# KiCad board demomatrix.kicad_pcb (continued)
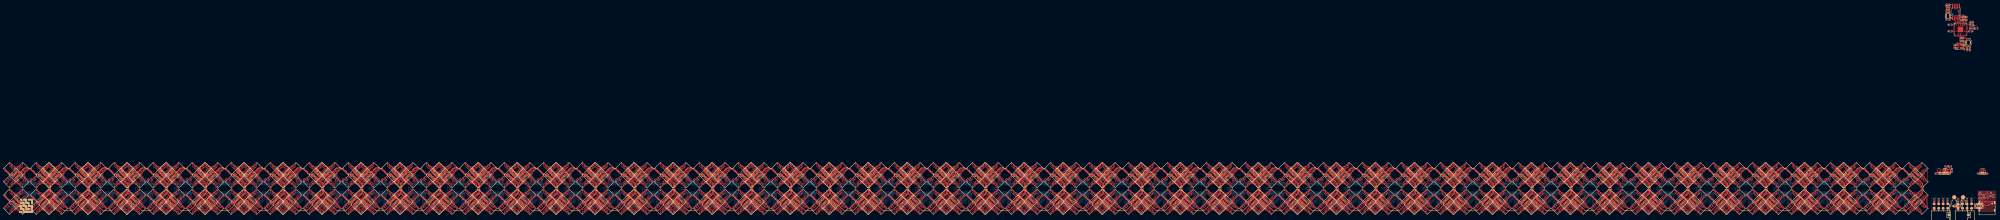
[diagram p0: board, top side]
## Routing (per net, layer and track width the routed paths; a pad name or vN(x,y) marks a point on that pad's centre or on a via; arc(x,y) is an arc through that point) (continued)
rgbs[2]-anodes-anode-704: length 9.5
  Top w0.2: LED83.4 -106.26,17.77 -106.88,17.77 -108.55,19.44 -108.55,19.69 -107.87,20.36 -107.87,20.82 -108.55,21.5 -108.55,21.75 -107.07,23.22 -106.43,23.22 -106.42,23.22 -106.07,23.22 LED82.3
rgbs[2]-anodes-anode-705: length 12.3
  Top w0.2: -105.51,17.12 -106.79,17.12 -108.95,19.28 -108.95,19.86 -108.27,20.53 -108.27,20.66 -108.95,21.33 -108.95,21.91 -106.78,24.08 -105.23,24.08 LED82.1
rgbs[2]-anodes-anode-706: length 3.7
  Top w0.2: LED83.6 -106.72,19.02 -106.72,20.02 -107.07,20.37 -107.07,20.81 -106.72,21.16 -106.72,22.18 LED82.5
rgbs[2]-anodes-anode-707: length 1.8
  Top w0.2: LED82.7 -107.47,21.23 -107.47,19.96 LED83.8
rgbs[2]-anodes-anode-708: length 9.5
  Top w0.2: LED86.3 -91.07,23.22 -91.42,23.22 -91.43,23.22 -92.07,23.22 -93.55,21.75 -93.55,21.5 -92.87,20.82 -92.87,20.36 -93.55,19.69 -93.55,19.44 -91.88,17.77 -91.26,17.77 LED87.4
rgbs[2]-anodes-anode-709: length 19.4
  Top w0.2: -90.51,17.12 -91.79,17.12 -93.95,19.28 -93.95,19.86 -93.27,20.53 -93.27,20.66 -93.95,21.33 -93.95,21.91 -91.78,24.08 -90.23,24.08 LED86.1 -89.73,23.58 -89.73,17.61 LED87.2
rgbs[2]-anodes-anode-710: length 3.7
  Top w0.2: LED87.6 -91.72,19.02 -91.72,20.02 -92.07,20.37 -92.07,20.81 -91.72,21.16 -91.72,22.18 LED86.5
rgbs[2]-anodes-anode-711: length 1.8
  Top w0.2: LED87.8 -92.47,19.96 -92.47,21.23 LED86.7
rgbs[2]-anodes-anode-712: length 9.5
  Top w0.2: LED90.3 -106.07,8.22 -106.42,8.22 -106.43,8.22 -107.07,8.22 -108.55,6.75 -108.55,6.5 -107.87,5.82 -107.87,5.36 -108.55,4.69 -108.55,4.44 -106.88,2.77 -106.26,2.77 LED91.4
rgbs[2]-anodes-anode-713: length 12.3
  Top w0.2: -105.51,2.12 -106.79,2.12 -108.95,4.28 -108.95,4.86 -108.27,5.53 -108.27,5.66 -108.95,6.33 -108.95,6.91 -106.78,9.08 -105.23,9.08 LED90.1
rgbs[2]-anodes-anode-714: length 3.7
  Top w0.2: LED91.6 -106.72,4.02 -106.72,5.02 -107.07,5.37 -107.07,5.81 -106.72,6.16 -106.72,7.18 LED90.5
rgbs[2]-anodes-anode-715: length 1.8
  Top w0.2: LED90.7 -107.47,6.23 -107.47,4.96 LED91.8
rgbs[2]-anodes-anode-716: length 14.9
  Top w0.2: -93.55,4.44 -93.55,4.69 -92.87,5.36 -92.87,5.82 -93.55,6.5 -93.55,6.75 -92.07,8.22 -91.43,8.22 -91.42,8.22 -91.07,8.22 LED94.3 -90.58,7.73 -90.58,3.46 LED95.4 -91.26,2.77 -91.88,2.77 -93.55,4.44
rgbs[2]-anodes-anode-717: length 19.4
  Top w0.2: LED95.2 -89.73,2.61 -89.73,8.58 LED94.1 -90.23,9.08 -91.78,9.08 -93.95,6.91 -93.95,6.33 -93.27,5.66 -93.27,5.53 -93.95,4.86 -93.95,4.28 -91.79,2.12 -90.51,2.12
rgbs[2]-anodes-anode-718: length 3.7
  Top w0.2: LED95.6 -91.72,4.02 -91.72,5.02 -92.07,5.37 -92.07,5.81 -91.72,6.16 -91.72,7.18 LED94.5
rgbs[2]-anodes-anode-719: length 1.8
  Top w0.2: LED95.8 -92.47,4.96 -92.47,6.23 LED94.7
rgbs[2]-anodes-anode-720: length 9.5
  Top w0.2: LED99.4 -84.26,17.77 -84.88,17.77 -86.55,19.44 -86.55,19.69 -85.87,20.36 -85.87,20.82 -86.55,21.5 -86.55,21.75 -85.07,23.22 -84.43,23.22 -84.42,23.22 -84.07,23.22 LED98.3
rgbs[2]-anodes-anode-721: length 12.3
  Top w0.2: LED98.1 -83.23,24.08 -84.78,24.08 -86.95,21.91 -86.95,21.33 -86.27,20.66 -86.27,20.53 -86.95,19.86 -86.95,19.28 -84.79,17.12 -83.51,17.12
rgbs[2]-anodes-anode-722: length 3.7
  Top w0.2: LED98.5 -84.72,22.18 -84.72,21.16 -85.07,20.81 -85.07,20.37 -84.72,20.02 -84.72,19.02 LED99.6
rgbs[2]-anodes-anode-723: length 1.8
  Top w0.2: LED99.8 -85.47,19.96 -85.47,21.23 LED98.7
rgbs[2]-anodes-anode-724: length 9.5
  Top w0.2: LED102.3 -69.07,23.22 -69.42,23.22 -69.43,23.22 -70.07,23.22 -71.55,21.75 -71.55,21.5 -70.87,20.82 -70.87,20.36 -71.55,19.69 -71.55,19.44 -69.88,17.77 -69.26,17.77 LED103.4
rgbs[2]-anodes-anode-725: length 19.4
  Top w0.2: LED103.2 -67.73,17.61 -67.73,23.58 LED102.1 -68.23,24.08 -69.78,24.08 -71.95,21.91 -71.95,21.33 -71.27,20.66 -71.27,20.53 -71.95,19.86 -71.95,19.28 -69.79,17.12 -68.51,17.12
rgbs[2]-anodes-anode-726: length 3.7
  Top w0.2: LED103.6 -69.72,19.02 -69.72,20.02 -70.07,20.37 -70.07,20.81 -69.72,21.16 -69.72,22.18 LED102.5
rgbs[2]-anodes-anode-727: length 1.8
  Top w0.2: LED103.8 -70.47,19.96 -70.47,21.23 LED102.7
rgbs[2]-anodes-anode-728: length 9.5
  Top w0.2: LED106.3 -84.07,8.22 -84.42,8.22 -84.43,8.22 -85.07,8.22 -86.55,6.75 -86.55,6.5 -85.87,5.82 -85.87,5.36 -86.55,4.69 -86.55,4.44 -84.88,2.77 -84.26,2.77 LED107.4
rgbs[2]-anodes-anode-729: length 12.3
  Top w0.2: LED106.1 -83.23,9.08 -84.78,9.08 -86.95,6.91 -86.95,6.33 -86.27,5.66 -86.27,5.53 -86.95,4.86 -86.95,4.28 -84.79,2.12 -83.51,2.12
rgbs[2]-anodes-anode-730: length 3.7
  Top w0.2: LED106.5 -84.72,7.18 -84.72,6.16 -85.07,5.81 -85.07,5.37 -84.72,5.02 -84.72,4.02 LED107.6
rgbs[2]-anodes-anode-731: length 1.8
  Top w0.2: LED106.7 -85.47,6.23 -85.47,4.96 LED107.8
rgbs[2]-anodes-anode-732: length 14.9
  Top w0.2: -70.07,8.22 -69.43,8.22 -69.42,8.22 -69.07,8.22 LED110.3 -68.58,7.73 -68.58,3.46 LED111.4 -69.26,2.77 -69.88,2.77 -71.55,4.44 -71.55,4.69 -70.87,5.36 -70.87,5.82 -71.55,6.5 -71.55,6.75 -70.07,8.22
rgbs[2]-anodes-anode-733: length 19.4
  Top w0.2: -68.51,2.12 -69.79,2.12 -71.95,4.28 -71.95,4.86 -71.27,5.53 -71.27,5.66 -71.95,6.33 -71.95,6.91 -69.78,9.08 -68.23,9.08 LED110.1 -67.73,8.58 -67.73,2.61 LED111.2
rgbs[2]-anodes-anode-734: length 3.7
  Top w0.2: LED111.6 -69.72,4.02 -69.72,5.02 -70.07,5.37 -70.07,5.81 -69.72,6.16 -69.72,7.18 LED110.5
rgbs[2]-anodes-anode-735: length 1.8
  Top w0.2: LED111.8 -70.47,4.96 -70.47,6.23 LED110.7
rgbs[2]-anodes-anode-736: length 9.5
  Top w0.2: LED114.3 -62.07,23.22 -62.42,23.22 -62.43,23.22 -63.07,23.22 -64.55,21.75 -64.55,21.5 -63.87,20.82 -63.87,20.36 -64.55,19.69 -64.55,19.44 -62.88,17.77 -62.26,17.77 LED115.4
rgbs[2]-anodes-anode-737: length 12.3
  Top w0.2: LED114.1 -61.23,24.08 -62.78,24.08 -64.95,21.91 -64.95,21.33 -64.27,20.66 -64.27,20.53 -64.95,19.86 -64.95,19.28 -62.79,17.12 -61.51,17.12
rgbs[2]-anodes-anode-738: length 3.7
  Top w0.2: LED114.5 -62.72,22.18 -62.72,21.16 -63.07,20.81 -63.07,20.37 -62.72,20.02 -62.72,19.02 LED115.6
rgbs[2]-anodes-anode-739: length 1.8
  Top w0.2: LED114.7 -63.47,21.23 -63.47,19.96 LED115.8
rgbs[2]-anodes-anode-740: length 9.5
  Top w0.2: LED119.4 -47.26,17.77 -47.88,17.77 -49.55,19.44 -49.55,19.69 -48.87,20.36 -48.87,20.82 -49.55,21.5 -49.55,21.75 -48.07,23.22 -47.43,23.22 -47.42,23.22 -47.07,23.22 LED118.3
rgbs[2]-anodes-anode-741: length 19.4
  Top w0.2: -46.51,17.12 -47.79,17.12 -49.95,19.28 -49.95,19.86 -49.27,20.53 -49.27,20.66 -49.95,21.33 -49.95,21.91 -47.78,24.08 -46.23,24.08 LED118.1 -45.73,23.58 -45.73,17.61 LED119.2
rgbs[2]-anodes-anode-742: length 3.7
  Top w0.2: LED118.5 -47.72,22.18 -47.72,21.16 -48.07,20.81 -48.07,20.37 -47.72,20.02 -47.72,19.02 LED119.6
rgbs[2]-anodes-anode-743: length 1.8
  Top w0.2: LED119.8 -48.47,19.96 -48.47,21.23 LED118.7
rgbs[2]-anodes-anode-744: length 9.5
  Top w0.2: LED123.4 -62.26,2.77 -62.88,2.77 -64.55,4.44 -64.55,4.69 -63.87,5.36 -63.87,5.82 -64.55,6.5 -64.55,6.75 -63.07,8.22 -62.43,8.22 -62.42,8.22 -62.07,8.22 LED122.3
rgbs[2]-anodes-anode-745: length 12.3
  Top w0.2: -61.51,2.12 -62.79,2.12 -64.95,4.28 -64.95,4.86 -64.27,5.53 -64.27,5.66 -64.95,6.33 -64.95,6.91 -62.78,9.08 -61.23,9.08 LED122.1
rgbs[2]-anodes-anode-746: length 3.7
  Top w0.2: LED123.6 -62.72,4.02 -62.72,5.02 -63.07,5.37 -63.07,5.81 -62.72,6.16 -62.72,7.18 LED122.5
rgbs[2]-anodes-anode-747: length 1.8
  Top w0.2: LED123.8 -63.47,4.96 -63.47,6.23 LED122.7
rgbs[2]-anodes-anode-748: length 14.9
  Top w0.2: -47.07,8.22 LED126.3 -46.58,7.73 -46.58,3.46 LED127.4 -47.26,2.77 -47.88,2.77 -49.55,4.44 -49.55,4.69 -48.87,5.36 -48.87,5.82 -49.55,6.5 -49.55,6.75 -48.07,8.22 -47.43,8.22 -47.42,8.22 -47.07,8.22
rgbs[2]-anodes-anode-749: length 19.4
  Top w0.2: LED127.2 -45.73,2.61 -45.73,8.58 LED126.1 -46.23,9.08 -47.78,9.08 -49.95,6.91 -49.95,6.33 -49.27,5.66 -49.27,5.53 -49.95,4.86 -49.95,4.28 -47.79,2.12 -46.51,2.12
rgbs[2]-anodes-anode-750: length 3.7
  Top w0.2: LED127.6 -47.72,4.02 -47.72,5.02 -48.07,5.37 -48.07,5.81 -47.72,6.16 -47.72,7.18 LED126.5
rgbs[2]-anodes-anode-751: length 1.8
  Top w0.2: LED127.8 -48.47,4.96 -48.47,6.23 LED126.7
rgbs[2]-anodes-anode-752: length 9.5
  Top w0.2: LED130.3 -40.07,23.22 -40.42,23.22 -40.43,23.22 -41.07,23.22 -42.55,21.75 -42.55,21.5 -41.87,20.82 -41.87,20.36 -42.55,19.69 -42.55,19.44 -40.88,17.77 -40.26,17.77 LED131.4
rgbs[2]-anodes-anode-753: length 12.3
  Top w0.2: LED130.1 -39.23,24.08 -40.78,24.08 -42.95,21.91 -42.95,21.33 -42.27,20.66 -42.27,20.53 -42.95,19.86 -42.95,19.28 -40.79,17.12 -39.51,17.12
rgbs[2]-anodes-anode-754: length 3.7
  Top w0.2: LED131.6 -40.72,19.02 -40.72,20.02 -41.07,20.37 -41.07,20.81 -40.72,21.16 -40.72,22.18 LED130.5
rgbs[2]-anodes-anode-755: length 1.8
  Top w0.2: LED131.8 -41.47,19.96 -41.47,21.23 LED130.7
rgbs[2]-anodes-anode-756: length 9.5
  Top w0.2: LED135.4 -25.26,17.77 -25.88,17.77 -27.55,19.44 -27.55,19.69 -26.87,20.36 -26.87,20.82 -27.55,21.5 -27.55,21.75 -26.07,23.22 -25.43,23.22 -25.42,23.22 -25.07,23.22 LED134.3
rgbs[2]-anodes-anode-757: length 19.4
  Top w0.2: -24.51,17.12 -25.79,17.12 -27.95,19.28 -27.95,19.86 -27.27,20.53 -27.27,20.66 -27.95,21.33 -27.95,21.91 -25.78,24.08 -24.23,24.08 LED134.1 -23.73,23.58 -23.73,17.61 LED135.2
rgbs[2]-anodes-anode-758: length 3.7
  Top w0.2: LED135.6 -25.72,19.02 -25.72,20.02 -26.07,20.37 -26.07,20.81 -25.72,21.16 -25.72,22.18 LED134.5
rgbs[2]-anodes-anode-759: length 1.8
  Top w0.2: LED135.8 -26.47,19.96 -26.47,21.23 LED134.7
rgbs[2]-anodes-anode-760: length 9.5
  Top w0.2: LED138.3 -40.07,8.22 -40.42,8.22 -40.43,8.22 -41.07,8.22 -42.55,6.75 -42.55,6.5 -41.87,5.82 -41.87,5.36 -42.55,4.69 -42.55,4.44 -40.88,2.77 -40.26,2.77 LED139.4
rgbs[2]-anodes-anode-761: length 12.3
  Top w0.2: LED138.1 -39.23,9.08 -40.78,9.08 -42.95,6.91 -42.95,6.33 -42.27,5.66 -42.27,5.53 -42.95,4.86 -42.95,4.28 -40.79,2.12 -39.51,2.12
rgbs[2]-anodes-anode-762: length 3.7
  Top w0.2: LED138.5 -40.72,7.18 -40.72,6.16 -41.07,5.81 -41.07,5.37 -40.72,5.02 -40.72,4.02 LED139.6
rgbs[2]-anodes-anode-763: length 1.8
  Top w0.2: LED139.8 -41.47,4.96 -41.47,6.23 LED138.7
rgbs[2]-anodes-anode-764: length 14.9
  Top w0.2: -27.55,4.44 -27.55,4.69 -26.87,5.36 -26.87,5.82 -27.55,6.5 -27.55,6.75 -26.07,8.22 -25.43,8.22 -25.42,8.22 -25.07,8.22 LED142.3 -24.58,7.73 -24.58,3.46 LED143.4 -25.26,2.77 -25.88,2.77 -27.55,4.44
rgbs[2]-anodes-anode-765: length 19.4
  Top w0.2: -24.51,2.12 -25.79,2.12 -27.95,4.28 -27.95,4.86 -27.27,5.53 -27.27,5.66 -27.95,6.33 -27.95,6.91 -25.78,9.08 -24.23,9.08 LED142.1 -23.73,8.58 -23.73,2.61 LED143.2
rgbs[2]-anodes-anode-766: length 3.7
  Top w0.2: LED142.5 -25.72,7.18 -25.72,6.16 -26.07,5.81 -26.07,5.37 -25.72,5.02 -25.72,4.02 LED143.6
rgbs[2]-anodes-anode-767: length 1.8
  Top w0.2: LED143.8 -26.47,4.96 -26.47,6.23 LED142.7
rgbs[2]-anodes-anode-768: length 9.5
  Top w0.2: LED146.3 -18.07,23.22 -18.42,23.22 -18.43,23.22 -19.07,23.22 -20.55,21.75 -20.55,21.5 -19.87,20.82 -19.87,20.36 -20.55,19.69 -20.55,19.44 -18.88,17.77 -18.26,17.77 LED147.4
rgbs[2]-anodes-anode-769: length 12.3
  Top w0.2: LED146.1 -17.23,24.08 -18.78,24.08 -20.95,21.91 -20.95,21.33 -20.27,20.66 -20.27,20.53 -20.95,19.86 -20.95,19.28 -18.79,17.12 -17.51,17.12
rgbs[2]-anodes-anode-770: length 3.7
  Top w0.2: LED146.5 -18.72,22.18 -18.72,21.16 -19.07,20.81 -19.07,20.37 -18.72,20.02 -18.72,19.02 LED147.6
rgbs[2]-anodes-anode-771: length 1.8
  Top w0.2: LED147.8 -19.47,19.96 -19.47,21.23 LED146.7
rgbs[2]-anodes-anode-772: length 9.5
  Top w0.2: LED151.4 -3.26,17.77 -3.88,17.77 -5.55,19.44 -5.55,19.69 -4.87,20.36 -4.87,20.82 -5.55,21.5 -5.55,21.75 -4.07,23.22 -3.43,23.22 -3.42,23.22 -3.07,23.22 LED150.3
rgbs[2]-anodes-anode-773: length 19.4
  Top w0.2: -2.51,17.12 -3.79,17.12 -5.95,19.28 -5.95,19.86 -5.27,20.53 -5.27,20.66 -5.95,21.33 -5.95,21.91 -3.78,24.08 -2.23,24.08 LED150.1 -1.73,23.58 -1.73,17.61 LED151.2
rgbs[2]-anodes-anode-774: length 3.7
  Top w0.2: LED150.5 -3.72,22.18 -3.72,21.16 -4.07,20.81 -4.07,20.37 -3.72,20.02 -3.72,19.02 LED151.6
rgbs[2]-anodes-anode-775: length 1.8
  Top w0.2: LED150.7 -4.47,21.23 -4.47,19.96 LED151.8
rgbs[2]-anodes-anode-776: length 9.5
  Top w0.2: LED155.4 -18.26,2.77 -18.88,2.77 -20.55,4.44 -20.55,4.69 -19.87,5.36 -19.87,5.82 -20.55,6.5 -20.55,6.75 -19.07,8.22 -18.43,8.22 -18.42,8.22 -18.07,8.22 LED154.3
rgbs[2]-anodes-anode-777: length 12.3
  Top w0.2: LED154.1 -17.23,9.08 -18.78,9.08 -20.95,6.91 -20.95,6.33 -20.27,5.66 -20.27,5.53 -20.95,4.86 -20.95,4.28 -18.79,2.12 -17.51,2.12
rgbs[2]-anodes-anode-778: length 3.7
  Top w0.2: LED155.6 -18.72,4.02 -18.72,5.02 -19.07,5.37 -19.07,5.81 -18.72,6.16 -18.72,7.18 LED154.5
rgbs[2]-anodes-anode-779: length 1.8
  Top w0.2: LED155.8 -19.47,4.96 -19.47,6.23 LED154.7
rgbs[2]-anodes-anode-780: length 14.9
  Top w0.2: -4.07,8.22 -3.43,8.22 -3.42,8.22 -3.07,8.22 LED158.3 -2.58,7.73 -2.58,3.46 LED159.4 -3.26,2.77 -3.88,2.77 -5.55,4.44 -5.55,4.69 -4.87,5.36 -4.87,5.82 -5.55,6.5 -5.55,6.75 -4.07,8.22
rgbs[2]-anodes-anode-781: length 19.4
  Top w0.2: -2.51,2.12 -3.79,2.12 -5.95,4.28 -5.95,4.86 -5.27,5.53 -5.27,5.66 -5.95,6.33 -5.95,6.91 -3.78,9.08 -2.23,9.08 LED158.1 -1.73,8.58 -1.73,2.61 LED159.2
rgbs[2]-anodes-anode-782: length 3.7
  Top w0.2: LED158.5 -3.72,7.18 -3.72,6.16 -4.07,5.81 -4.07,5.37 -3.72,5.02 -3.72,4.02 LED159.6
rgbs[2]-anodes-anode-783: length 1.8
  Top w0.2: LED158.7 -4.47,6.23 -4.47,4.96 LED159.8
rgbs[3]-anodes-anode-0: length 9.5
  Top w0.2: LED4.4 -1082.43,15.08 -1082.43,15.87 -1081.7,16.59 -1081.69,16.59 -1081.4,16.88 -1081.4,16.89 -1080.84,17.45 -1080.59,17.45 -1079.91,16.77 -1079.47,16.77 -1078.79,17.45 -1078.54,17.45 -1076.98,15.89 -1076.98,15.08 -1077.13,14.93 -1077.13,14.9 LED3.3
rgbs[3]-anodes-anode-1: length 12.8
  Top w0.2: LED4.2 -1083.16,14.12 -1083.16,15.7 -1081.86,16.99 -1081.86,16.99 -1081.8,17.05 -1081.8,17.06 -1081.01,17.85 -1080.43,17.85 -1079.74,17.17 -1079.64,17.17 -1078.95,17.85 -1078.37,17.85 -1076.22,15.7 -1076.22,14.31 -1076.15,14.23 -1076.28,14.1 -1076.28,14.06 LED3.1
rgbs[3]-anodes-anode-2: length 3.9
  Top w0.2: LED3.5 -1078.12,15.61 -1079.11,15.61 -1079.46,15.97 -1079.92,15.97 -1080.26,15.62 -1081.46,15.62 LED4.6
rgbs[3]-anodes-anode-3: length 1.8
  Top w0.2: LED4.8 -1080.32,16.37 -1079.11,16.37 -1078.94,16.53 -1078.9,16.53 LED3.7
rgbs[3]-anodes-anode-4: length 9.5
  Top w0.2: LED7.3 -1062.13,14.9 -1062.13,14.93 -1061.98,15.08 -1061.98,15.89 -1063.54,17.45 -1063.79,17.45 -1064.47,16.77 -1064.91,16.77 -1065.59,17.45 -1065.84,17.45 -1066.4,16.89 -1066.4,16.88 -1066.69,16.59 -1066.7,16.59 -1067.43,15.87 -1067.43,15.08 LED8.4
rgbs[3]-anodes-anode-5: length 12.8
  Top w0.2: LED7.1 -1061.28,14.06 -1061.28,14.1 -1061.15,14.23 -1061.22,14.31 -1061.22,15.7 -1063.37,17.85 -1063.95,17.85 -1064.64,17.17 -1064.74,17.17 -1065.43,17.85 -1066.01,17.85 -1066.8,17.06 -1066.8,17.05 -1066.86,16.99 -1066.86,16.99 -1068.16,15.7 -1068.16,14.12 LED8.2
rgbs[3]-anodes-anode-6: length 3.9
  Top w0.2: LED7.5 -1063.12,15.61 -1064.11,15.61 -1064.46,15.97 -1064.92,15.97 -1065.26,15.62 -1066.46,15.62 LED8.6
rgbs[3]-anodes-anode-7: length 1.8
  Top w0.2: LED8.8 -1065.32,16.37 -1064.11,16.37 -1063.94,16.53 -1063.9,16.53 LED7.7
rgbs[3]-anodes-anode-8: length 9.5
  Top w0.2: LED12.4 -1082.43,0.08 -1082.43,0.87 -1081.7,1.59 -1081.69,1.59 -1081.4,1.88 -1081.4,1.89 -1080.84,2.45 -1080.59,2.45 -1079.91,1.77 -1079.47,1.77 -1078.79,2.45 -1078.54,2.45 -1076.98,0.89 -1076.98,0.08 -1077.13,-0.07 -1077.13,-0.1 LED11.3
rgbs[3]-anodes-anode-9: length 12.8
  Top w0.2: LED11.1 -1076.28,-0.94 -1076.28,-0.9 -1076.15,-0.77 -1076.22,-0.69 -1076.22,0.7 -1078.37,2.85 -1078.95,2.85 -1079.64,2.17 -1079.74,2.17 -1080.43,2.85 -1081.01,2.85 -1081.8,2.06 -1081.8,2.05 -1081.86,1.99 -1081.86,1.99 -1083.16,0.7 -1083.16,-0.88 LED12.2
rgbs[3]-anodes-anode-10: length 3.9
  Top w0.2: LED11.5 -1078.12,0.61 -1079.11,0.61 -1079.46,0.97 -1079.92,0.97 -1080.26,0.62 -1081.46,0.62 LED12.6
rgbs[3]-anodes-anode-11: length 1.8
  Top w0.2: LED12.8 -1080.32,1.37 -1079.11,1.37 -1078.94,1.53 -1078.9,1.53 LED11.7
rgbs[3]-anodes-anode-12: length 9.5
  Top w0.2: LED15.3 -1062.13,-0.1 -1062.13,-0.07 -1061.98,0.08 -1061.98,0.89 -1063.54,2.45 -1063.79,2.45 -1064.47,1.77 -1064.91,1.77 -1065.59,2.45 -1065.84,2.45 -1066.4,1.89 -1066.4,1.88 -1066.69,1.59 -1066.7,1.59 -1067.43,0.87 -1067.43,0.08 LED16.4
rgbs[3]-anodes-anode-13: length 12.8
  Top w0.2: LED15.1 -1061.28,-0.94 -1061.28,-0.9 -1061.15,-0.77 -1061.22,-0.69 -1061.22,0.7 -1063.37,2.85 -1063.95,2.85 -1064.64,2.17 -1064.74,2.17 -1065.43,2.85 -1066.01,2.85 -1066.8,2.06 -1066.8,2.05 -1066.86,1.99 -1066.86,1.99 -1068.16,0.7 -1068.16,-0.88 LED16.2
rgbs[3]-anodes-anode-14: length 3.9
  Top w0.2: LED15.5 -1063.12,0.61 -1064.11,0.61 -1064.46,0.97 -1064.92,0.97 -1065.26,0.62 -1066.46,0.62 LED16.6
rgbs[3]-anodes-anode-15: length 1.8
  Top w0.2: LED16.8 -1065.32,1.37 -1064.11,1.37 -1063.94,1.53 -1063.9,1.53 LED15.7
rgbs[3]-anodes-anode-16: length 9.5
  Top w0.2: LED164.4 -1060.43,15.08 -1060.43,15.87 -1059.7,16.59 -1059.69,16.59 -1059.4,16.88 -1059.4,16.89 -1058.84,17.45 -1058.59,17.45 -1057.91,16.77 -1057.47,16.77 -1056.79,17.45 -1056.54,17.45 -1054.98,15.89 -1054.98,15.08 -1055.13,14.93 -1055.13,14.9 LED163.3
rgbs[3]-anodes-anode-17: length 12.8
  Top w0.2: LED163.1 -1054.28,14.06 -1054.28,14.1 -1054.15,14.23 -1054.22,14.31 -1054.22,15.7 -1056.37,17.85 -1056.95,17.85 -1057.64,17.17 -1057.74,17.17 -1058.43,17.85 -1059.01,17.85 -1059.8,17.06 -1059.8,17.05 -1059.86,16.99 -1059.86,16.99 -1061.16,15.7 -1061.16,14.12 LED164.2
rgbs[3]-anodes-anode-18: length 3.9
  Top w0.2: LED163.5 -1056.12,15.61 -1057.11,15.61 -1057.46,15.97 -1057.92,15.97 -1058.26,15.62 -1059.46,15.62 LED164.6
rgbs[3]-anodes-anode-19: length 1.8
  Top w0.2: LED164.8 -1058.32,16.37 -1057.11,16.37 -1056.94,16.53 -1056.9,16.53 LED163.7
rgbs[3]-anodes-anode-20: length 9.5
  Top w0.2: LED168.4 -1045.43,15.08 -1045.43,15.87 -1044.7,16.59 -1044.69,16.59 -1044.4,16.88 -1044.4,16.89 -1043.84,17.45 -1043.59,17.45 -1042.91,16.77 -1042.47,16.77 -1041.79,17.45 -1041.54,17.45 -1039.98,15.89 -1039.98,15.08 -1040.13,14.93 -1040.13,14.9 LED167.3
rgbs[3]-anodes-anode-21: length 12.8
  Top w0.2: LED167.1 -1039.28,14.06 -1039.28,14.1 -1039.15,14.23 -1039.22,14.31 -1039.22,15.7 -1041.37,17.85 -1041.95,17.85 -1042.64,17.17 -1042.74,17.17 -1043.43,17.85 -1044.01,17.85 -1044.8,17.06 -1044.8,17.05 -1044.86,16.99 -1044.86,16.99 -1046.16,15.7 -1046.16,14.12 LED168.2
rgbs[3]-anodes-anode-22: length 3.9
  Top w0.2: LED168.6 -1044.46,15.62 -1043.26,15.62 -1042.92,15.97 -1042.46,15.97 -1042.11,15.61 -1041.12,15.61 LED167.5
rgbs[3]-anodes-anode-23: length 1.8
  Top w0.2: LED167.7 -1041.9,16.53 -1041.94,16.53 -1042.11,16.37 -1043.32,16.37 LED168.8
rgbs[3]-anodes-anode-24: length 9.5
  Top w0.2: LED171.3 -1055.13,-0.1 -1055.13,-0.07 -1054.98,0.08 -1054.98,0.89 -1056.54,2.45 -1056.79,2.45 -1057.47,1.77 -1057.91,1.77 -1058.59,2.45 -1058.84,2.45 -1059.4,1.89 -1059.4,1.88 -1059.69,1.59 -1059.7,1.59 -1060.43,0.87 -1060.43,0.08 LED172.4
rgbs[3]-anodes-anode-25: length 12.8
  Top w0.2: LED172.2 -1061.16,-0.88 -1061.16,0.7 -1059.86,1.99 -1059.86,1.99 -1059.8,2.05 -1059.8,2.06 -1059.01,2.85 -1058.43,2.85 -1057.74,2.17 -1057.64,2.17 -1056.95,2.85 -1056.37,2.85 -1054.22,0.7 -1054.22,-0.69 -1054.15,-0.77 -1054.28,-0.9 -1054.28,-0.94 LED171.1
rgbs[3]-anodes-anode-26: length 3.9
  Top w0.2: LED171.5 -1056.12,0.61 -1057.11,0.61 -1057.46,0.97 -1057.92,0.97 -1058.26,0.62 -1059.46,0.62 LED172.6
rgbs[3]-anodes-anode-27: length 1.8
  Top w0.2: LED172.8 -1058.32,1.37 -1057.11,1.37 -1056.94,1.53 -1056.9,1.53 LED171.7
rgbs[3]-anodes-anode-28: length 9.5
  Top w0.2: LED176.4 -1045.43,0.08 -1045.43,0.87 -1044.7,1.59 -1044.69,1.59 -1044.4,1.88 -1044.4,1.89 -1043.84,2.45 -1043.59,2.45 -1042.91,1.77 -1042.47,1.77 -1041.79,2.45 -1041.54,2.45 -1039.98,0.89 -1039.98,0.08 -1040.13,-0.07 -1040.13,-0.1 LED175.3
rgbs[3]-anodes-anode-29: length 12.8
  Top w0.2: LED176.2 -1046.16,-0.88 -1046.16,0.7 -1044.86,1.99 -1044.86,1.99 -1044.8,2.05 -1044.8,2.06 -1044.01,2.85 -1043.43,2.85 -1042.74,2.17 -1042.64,2.17 -1041.95,2.85 -1041.37,2.85 -1039.22,0.7 -1039.22,-0.69 -1039.15,-0.77 -1039.28,-0.9 -1039.28,-0.94 LED175.1
rgbs[3]-anodes-anode-30: length 3.9
  Top w0.2: LED176.6 -1044.46,0.62 -1043.26,0.62 -1042.92,0.97 -1042.46,0.97 -1042.11,0.61 -1041.12,0.61 LED175.5
rgbs[3]-anodes-anode-31: length 1.8
  Top w0.2: LED176.8 -1043.32,1.37 -1042.11,1.37 -1041.94,1.53 -1041.9,1.53 LED175.7
rgbs[3]-anodes-anode-32: length 9.5
  Top w0.2: LED180.4 -1038.43,15.08 -1038.43,15.87 -1037.7,16.59 -1037.69,16.59 -1037.4,16.88 -1037.4,16.89 -1036.84,17.45 -1036.59,17.45 -1035.91,16.77 -1035.47,16.77 -1034.79,17.45 -1034.54,17.45 -1032.98,15.89 -1032.98,15.08 -1033.13,14.93 -1033.13,14.9 LED179.3
rgbs[3]-anodes-anode-33: length 12.8
  Top w0.2: LED179.1 -1032.28,14.06 -1032.28,14.1 -1032.15,14.23 -1032.22,14.31 -1032.22,15.7 -1034.37,17.85 -1034.95,17.85 -1035.64,17.17 -1035.74,17.17 -1036.43,17.85 -1037.01,17.85 -1037.8,17.06 -1037.8,17.05 -1037.86,16.99 -1037.86,16.99 -1039.16,15.7 -1039.16,14.12 LED180.2
rgbs[3]-anodes-anode-34: length 3.9
  Top w0.2: LED179.5 -1034.12,15.61 -1035.11,15.61 -1035.46,15.97 -1035.92,15.97 -1036.26,15.62 -1037.46,15.62 LED180.6
rgbs[3]-anodes-anode-35: length 1.8
  Top w0.2: LED180.8 -1036.32,16.37 -1035.11,16.37 -1034.94,16.53 -1034.9,16.53 LED179.7
rgbs[3]-anodes-anode-36: length 9.5
  Top w0.2: LED183.3 -1018.13,14.9 -1018.13,14.93 -1017.98,15.08 -1017.98,15.89 -1019.54,17.45 -1019.79,17.45 -1020.47,16.77 -1020.91,16.77 -1021.59,17.45 -1021.84,17.45 -1022.4,16.89 -1022.4,16.88 -1022.69,16.59 -1022.7,16.59 -1023.43,15.87 -1023.43,15.08 LED184.4
rgbs[3]-anodes-anode-37: length 12.8
  Top w0.2: LED184.2 -1024.16,14.12 -1024.16,15.7 -1022.86,16.99 -1022.86,16.99 -1022.8,17.05 -1022.8,17.06 -1022.01,17.85 -1021.43,17.85 -1020.74,17.17 -1020.64,17.17 -1019.95,17.85 -1019.37,17.85 -1017.22,15.7 -1017.22,14.31 -1017.15,14.23 -1017.28,14.1 -1017.28,14.06 LED183.1
rgbs[3]-anodes-anode-38: length 3.9
  Top w0.2: LED184.6 -1022.46,15.62 -1021.26,15.62 -1020.92,15.97 -1020.46,15.97 -1020.11,15.61 -1019.12,15.61 LED183.5
rgbs[3]-anodes-anode-39: length 1.8
  Top w0.2: LED183.7 -1019.9,16.53 -1019.94,16.53 -1020.11,16.37 -1021.32,16.37 LED184.8
rgbs[3]-anodes-anode-40: length 9.5
  Top w0.2: LED188.4 -1038.43,0.08 -1038.43,0.87 -1037.7,1.59 -1037.69,1.59 -1037.4,1.88 -1037.4,1.89 -1036.84,2.45 -1036.59,2.45 -1035.91,1.77 -1035.47,1.77 -1034.79,2.45 -1034.54,2.45 -1032.98,0.89 -1032.98,0.08 -1033.13,-0.07 -1033.13,-0.1 LED187.3
rgbs[3]-anodes-anode-41: length 12.8
  Top w0.2: LED187.1 -1032.28,-0.94 -1032.28,-0.9 -1032.15,-0.77 -1032.22,-0.69 -1032.22,0.7 -1034.37,2.85 -1034.95,2.85 -1035.64,2.17 -1035.74,2.17 -1036.43,2.85 -1037.01,2.85 -1037.8,2.06 -1037.8,2.05 -1037.86,1.99 -1037.86,1.99 -1039.16,0.7 -1039.16,-0.88 LED188.2
rgbs[3]-anodes-anode-42: length 3.9
  Top w0.2: LED187.5 -1034.12,0.61 -1035.11,0.61 -1035.46,0.97 -1035.92,0.97 -1036.26,0.62 -1037.46,0.62 LED188.6
rgbs[3]-anodes-anode-43: length 1.8
  Top w0.2: LED187.7 -1034.9,1.53 -1034.94,1.53 -1035.11,1.37 -1036.32,1.37 LED188.8
rgbs[3]-anodes-anode-44: length 9.5
  Top w0.2: LED192.4 -1023.43,0.08 -1023.43,0.87 -1022.7,1.59 -1022.69,1.59 -1022.4,1.88 -1022.4,1.89 -1021.84,2.45 -1021.59,2.45 -1020.91,1.77 -1020.47,1.77 -1019.79,2.45 -1019.54,2.45 -1017.98,0.89 -1017.98,0.08 -1018.13,-0.07 -1018.13,-0.1 LED191.3
rgbs[3]-anodes-anode-45: length 12.8
  Top w0.2: LED192.2 -1024.16,-0.88 -1024.16,0.7 -1022.86,1.99 -1022.86,1.99 -1022.8,2.05 -1022.8,2.06 -1022.01,2.85 -1021.43,2.85 -1020.74,2.17 -1020.64,2.17 -1019.95,2.85 -1019.37,2.85 -1017.22,0.7 -1017.22,-0.69 -1017.15,-0.77 -1017.28,-0.9 -1017.28,-0.94 LED191.1
rgbs[3]-anodes-anode-46: length 3.9
  Top w0.2: LED192.6 -1022.46,0.62 -1021.26,0.62 -1020.92,0.97 -1020.46,0.97 -1020.11,0.61 -1019.12,0.61 LED191.5
rgbs[3]-anodes-anode-47: length 1.8
  Top w0.2: LED192.8 -1021.32,1.37 -1020.11,1.37 -1019.94,1.53 -1019.9,1.53 LED191.7
rgbs[3]-anodes-anode-48: length 9.5
  Top w0.2: LED196.4 -1016.43,15.08 -1016.43,15.87 -1015.7,16.59 -1015.69,16.59 -1015.4,16.88 -1015.4,16.89 -1014.84,17.45 -1014.59,17.45 -1013.91,16.77 -1013.47,16.77 -1012.79,17.45 -1012.54,17.45 -1010.98,15.89 -1010.98,15.08 -1011.13,14.93 -1011.13,14.9 LED195.3
rgbs[3]-anodes-anode-49: length 12.8
  Top w0.2: LED196.2 -1017.16,14.12 -1017.16,15.7 -1015.86,16.99 -1015.86,16.99 -1015.8,17.05 -1015.8,17.06 -1015.01,17.85 -1014.43,17.85 -1013.74,17.17 -1013.64,17.17 -1012.95,17.85 -1012.37,17.85 -1010.22,15.7 -1010.22,14.31 -1010.15,14.23 -1010.28,14.1 -1010.28,14.06 LED195.1
rgbs[3]-anodes-anode-50: length 3.9
  Top w0.2: LED196.6 -1015.46,15.62 -1014.26,15.62 -1013.92,15.97 -1013.46,15.97 -1013.11,15.61 -1012.12,15.61 LED195.5
rgbs[3]-anodes-anode-51: length 1.8
  Top w0.2: LED195.7 -1012.9,16.53 -1012.94,16.53 -1013.11,16.37 -1014.32,16.37 LED196.8
rgbs[3]-anodes-anode-52: length 9.5
  Top w0.2: LED199.3 -996.13,14.9 -996.13,14.93 -995.98,15.08 -995.98,15.89 -997.54,17.45 -997.79,17.45 -998.47,16.77 -998.91,16.77 -999.59,17.45 -999.84,17.45 -1000.4,16.89 -1000.4,16.88 -1000.69,16.59 -1000.7,16.59 -1001.43,15.87 -1001.43,15.08 LED200.4